# KiCad board nf_tpu.kicad_pcb
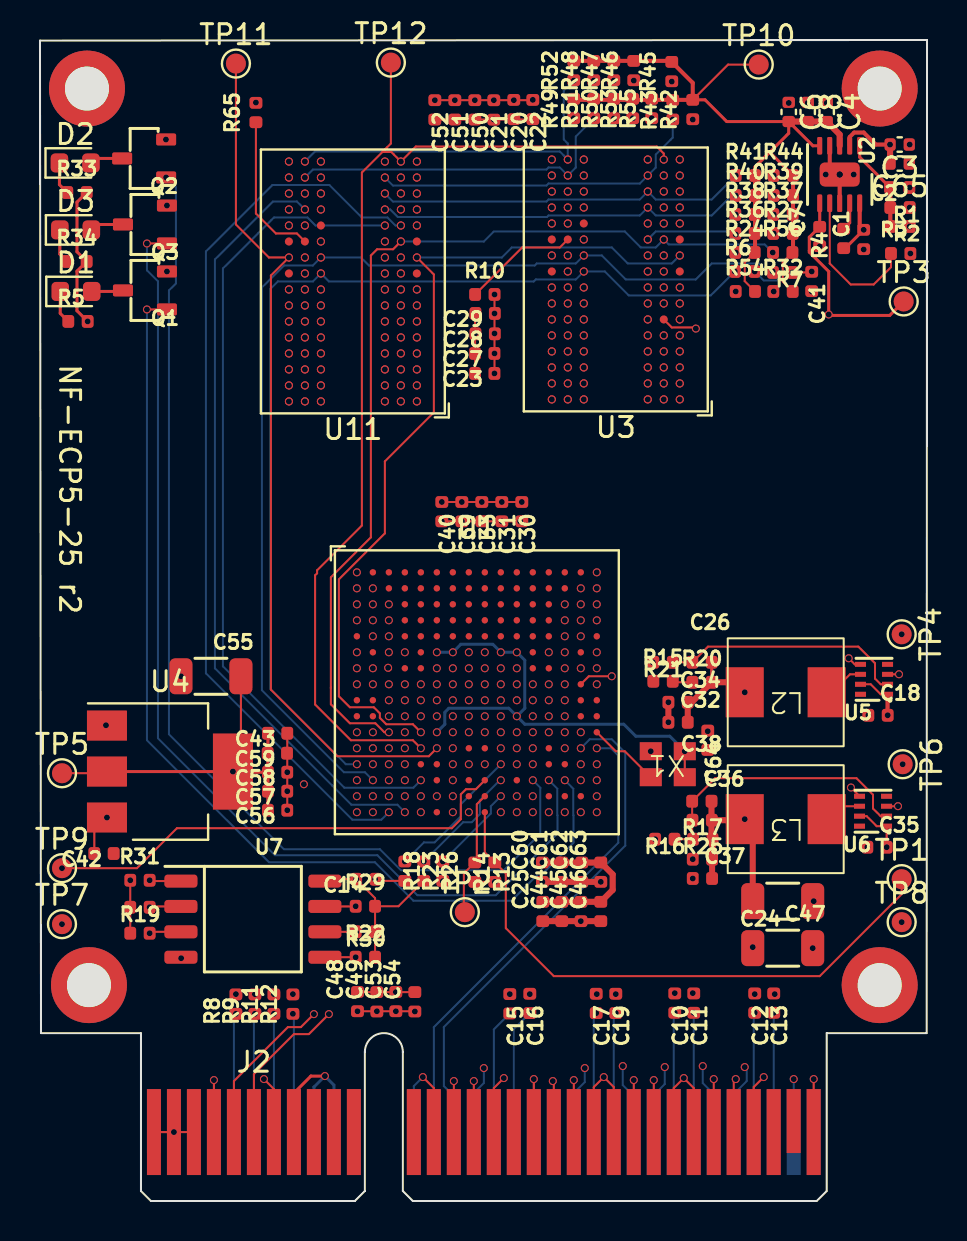
[diagram p0: board, top side]
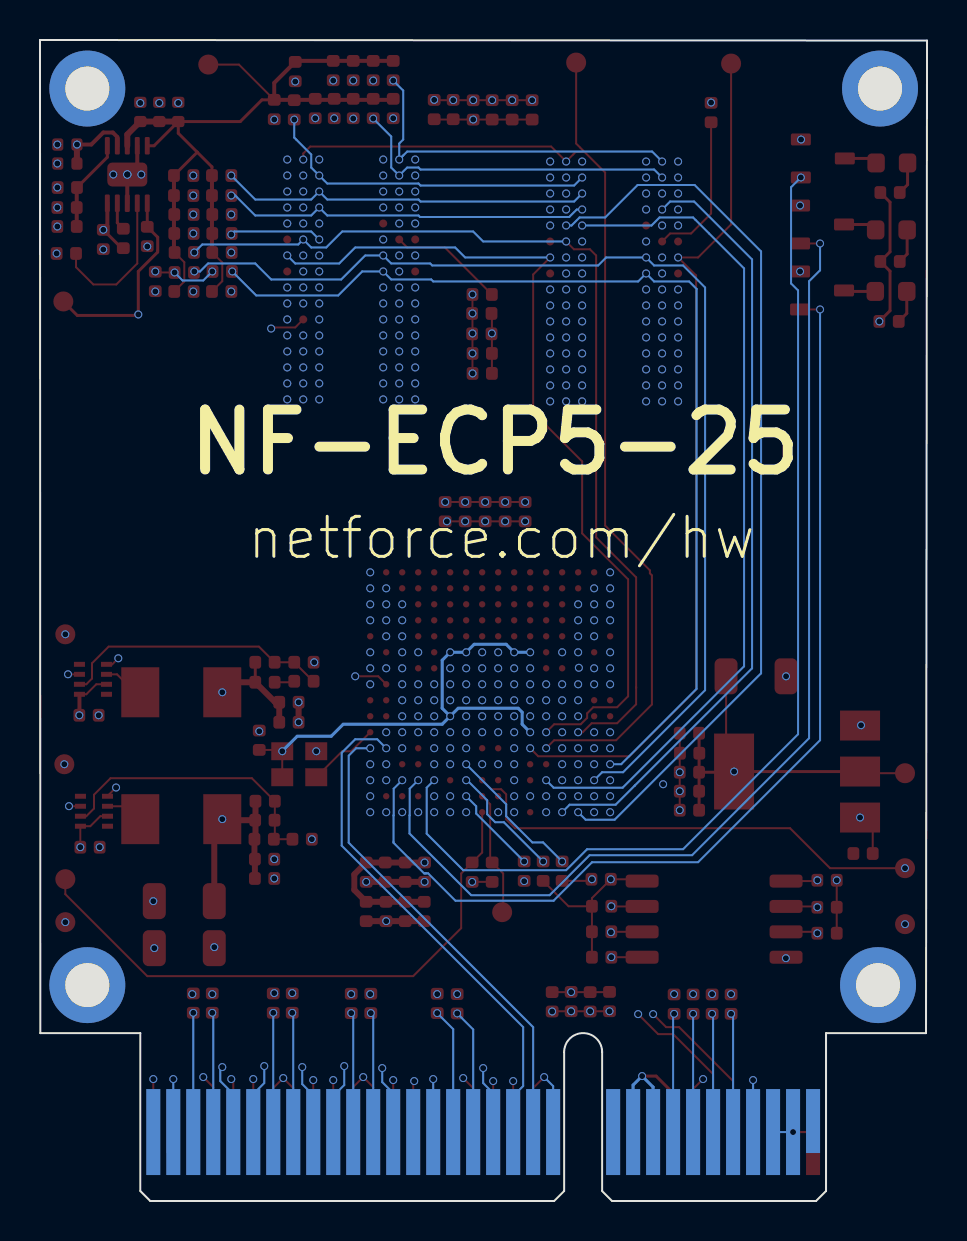
[diagram p1: board, bottom side, seen from below]

Outline 44.37 x 58.08 mm; copper layers: Top, GND (plane), In2.Cu, VCC, In4.Cu, Bottom. Coordinates in mm from the lower left corner of the outline.
Outline path: 5.05,8.4 0.05,8.4 0,58.05 44.37,58.08 44.35,8.4 39.35,8.4
Stack: Top 0.035mm / dielectric 0.1mm FR4 er 4.5 / GND 0.035mm / dielectric 0.535mm FR4 er 4.5 / In2.Cu 0.035mm / dielectric 0.1mm FR4 er 4.5 / VCC 0.035mm / dielectric 0.535mm FR4 er 4.5 / In4.Cu 0.035mm / dielectric 0.1mm FR4 er 4.5 / Bottom 0.035mm

## Placement (name value [footprint] x y rotation side)
C1  10u  [C_0402_1005Metric]  41.2 48.1 90 top
C2  1n  [C_0402_1005Metric]  43 50.7 180 top
C3  10u  [C_0402_1005Metric]  43 52.85 180 top
C4  10u  [C_0402_1005Metric]  39.35 54.48 270 top
C6  10u  [C_0402_1005Metric]  37.45 54.48 270 top
C7  100n  [C_0402_1005Metric]  39 48.25 90 top
C8  10u  [C_0402_1005Metric]  38.4 54.48 270 top
C10  100n  [C_0402_1005Metric]  31.75 9.9 270 top
C11  100n  [C_0402_1005Metric]  32.7 9.9 270 top
C12  100n  [C_0402_1005Metric]  35.75 9.9 270 top
C13  100n  [C_0402_1005Metric]  36.7 9.9 270 top
C14  1u  [C_0402_1005Metric]  16.3 16.1 180 top
C15  100n  [C_0402_1005Metric]  23.5 9.87 270 top
C16  100n  [C_0402_1005Metric]  24.5 9.88 270 top
C17  100n  [C_0402_1005Metric]  27.82 9.88 270 top
C18  10u  [C_0402_1005Metric]  41.92 24.3 0 top
C19  100n  [C_0402_1005Metric]  28.8 9.88 270 top
C20  4u7  [C_0402_1005Metric]  23.7 54.6 270 top
C21  1u  [C_0402_1005Metric]  22.7 54.58 270 top
C22  1u  [C_0402_1005Metric]  24.65 54.6 270 top
C23  1u  [C_0402_1005Metric]  22.25 41.4 180 top
C24  100u  [C_1206_3216Metric]  37.15 15 180 top
C25  4u7  [C_0402_1005Metric]  25.15 14.48 90 top
C26  100p  [C_0402_1005Metric]  33.11 26.95 0 top
C27  1u  [C_0402_1005Metric]  22.25 42.4 180 top
C28  1u  [C_0402_1005Metric]  22.27 43.38 180 top
C29  1u  [C_0402_1005Metric]  22.27 44.4 180 top
C30  1u  [C_0402_1005Metric]  24.1 34.48 270 top
C31  1u  [C_0402_1005Metric]  23.1 34.48 270 top
C32  10u  [C_0402_1005Metric]  31.92 23.95 0 top
C33  1u  [C_0402_1005Metric]  22.1 34.48 270 top
C34  10u  [C_0402_1005Metric]  31.92 24.95 0 top
C35  10u  [C_0402_1005Metric]  41.87 17.7 0 top
C36  100p  [C_0402_1005Metric]  33.1 20 0 top
C37  10u  [C_0402_1005Metric]  33.13 16.13 0 top
C38  10u  [C_0402_1005Metric]  33.13 17.1 0 top
C39  1u  [C_0402_1005Metric]  21.1 34.48 270 top
C40  1u  [C_0402_1005Metric]  20.1 34.48 270 top
C41  100n  [C_0402_1005Metric]  38.6 46 270 top
C42  10u  [C_0402_1005Metric]  3.2 17.38 180 top
C43  10u  [C_0402_1005Metric]  11.88 23.4 180 top
C44  4u7  [C_0402_1005Metric]  26.1 14.48 90 top
C45  4u7  [C_0402_1005Metric]  27.06 14.48 90 top
C46  4u7  [C_0402_1005Metric]  28.05 14.48 90 top
C47  4u7  [C_1206_3216Metric]  37.15 12.65 0 top
C48  4u7  [C_0402_1005Metric]  15.88 9.98 90 top
C49  4u7  [C_0402_1005Metric]  16.85 9.97 90 top
C50  1u  [C_0402_1005Metric]  21.75 54.58 270 top
C51  1u  [C_0402_1005Metric]  20.75 54.58 270 top
C52  1u  [C_0402_1005Metric]  19.75 54.58 270 top
C53  1u  [C_0402_1005Metric]  17.8 9.98 90 top
C54  1u  [C_0402_1005Metric]  18.75 9.97 90 top
C55  4u7  [C_1206_3216Metric]  8.55 26.25 0 top
C56  4u7  [C_0402_1005Metric]  11.88 19.55 180 top
C57  4u7  [C_0402_1005Metric]  11.88 20.5 180 top
C58  1u  [C_0402_1005Metric]  11.88 21.45 180 top
C59  1u  [C_0402_1005Metric]  11.87 22.4 180 top
C60  1u  [C_0402_1005Metric]  25.13 16.45 90 top
C61  1u  [C_0402_1005Metric]  26.1 16.45 90 top
C62  1u  [C_0402_1005Metric]  27.1 16.45 90 top
C63  1u  [C_0402_1005Metric]  28.05 16.45 90 top
C64  100n  [C_0402_1005Metric]  33.4 23.05 270 top
C65  10u  [C_0402_1005Metric]  43 51.9 180 top
D1  LED_B_0603_LG_L29K-G2J1-24-Z  [LED_0603_1608Metric]  1.8 45.5 0 top
D2  LED_R_0603_LG_L29K-G2J1-24-Z  [LED_0603_1608Metric]  1.76 51.93 0 top
D3  LED_G_0603_LG_L29K-G2J1-24-Z  [LED_0603_1608Metric]  1.78 48.58 0 top
J2  Bus_PCI_Express_x4  [BUS_PCIexpress_x4]  5.7 3.45 0 top
L2  IHLP1212AEERR47M11  [MHCI05030]  37.35 25.45 180 top
L3  IHLP1212AEERR47M11  [MHCI05030]  37.35 19.1 180 top
NOREF  -  [MountingHole_2.2mm_M2_DIN965_Pad]  2.35 55.65 0 top
NOREF#2  -  [MountingHole_2.2mm_M2_DIN965_Pad]  2.45 10.8 0 top
NOREF#3  -  [MountingHole_2.2mm_M2_DIN965_Pad]  42 55.65 0 top
NOREF#4  -  [MountingHole_2.2mm_M2_DIN965_Pad]  42 10.8 0 top
Q1  2N7002_SOT-23-3  [SOT-23-3]  5.25 45.55 180 top
Q2  2N7002_SOT-23-3  [SOT-23-3]  5.21 52.15 180 top
Q3  2N7002_SOT-23-3  [SOT-23-3]  5.25 48.85 180 top
R1  10k  [R_0402_1005Metric]  43.02 49.7 180 top
R2  10k  [R_0402_1005Metric]  43.02 48.75 180 top
R3  10k  [R_0402_1005Metric]  43.05 47.4 0 top
R4  10k  [R_0402_1005Metric]  40.2 48.15 90 top
R5  1k  [R_0402_1005Metric]  1.9 44 0 top
R6  49.9R  [R_0402_1005Metric]  35.25 46.5 0 top
R7  49.9R  [R_0402_1005Metric]  37.15 46.45 180 top
R8  22R  [R_0402_1005Metric]  9.8 9.85 90 top
R9  22R  [R_0402_1005Metric]  10.75 9.85 90 top
R10  240R  [R_0402_1005Metric]  22.25 45.35 0 top
R11  22R  [R_0402_1005Metric]  11.7 9.85 90 top
R12  22R  [R_0402_1005Metric]  12.65 9.85 90 top
R13  10k  [R_0402_1005Metric]  22.75 16.45 270 top
R14  10k  [R_0402_1005Metric]  21.75 16.45 270 top
R15  12k  [R_0402_1005Metric]  31.17 26 0 top
R16  10k  [R_0402_1005Metric]  31.25 18.1 180 top
R17  10k  [R_0402_1005Metric]  33.12 19.05 180 top
R18  10k  [R_0402_1005Metric]  18.25 16.5 270 top
R19  10k  [R_0402_1005Metric]  5 14.7 180 top
R20  510R  [R_0402_1005Metric]  33.11 25.95 0 top
R21  10k  [R_0402_1005Metric]  31.17 26.95 180 top
R22  10k  [R_0402_1005Metric]  16.28 12.2 0 top
R23  10k  [R_0402_1005Metric]  19.2 16.5 270 top
R24  49.9R  [R_0402_1005Metric]  35.27 47.45 0 top
R25  20k  [R_0402_1005Metric]  33.15 18.1 180 top
R26  10k  [R_0402_1005Metric]  20.15 16.5 270 top
R27  49.9R  [R_0402_1005Metric]  37.17 48.4 0 top
R28  10k  [R_0402_1005Metric]  5 13.4 180 top
R29  10k  [R_0402_1005Metric]  16.28 14.75 0 top
R30  10k  [R_0402_1005Metric]  16.28 13.47 180 top
R31  10k  [R_0402_1005Metric]  5 16.05 0 top
R32  49.9R  [R_0402_1005Metric]  37.17 45.5 0 top
R33  510R  [R_0402_1005Metric]  1.85 50.45 0 top
R34  1k  [R_0402_1005Metric]  1.85 47 0 top
R36  49.9R  [R_0402_1005Metric]  35.27 48.4 0 top
R37  49.9R  [R_0402_1005Metric]  37.17 49.35 0 top
R38  49.9R  [R_0402_1005Metric]  35.27 49.35 0 top
R39  49.9R  [R_0402_1005Metric]  37.18 50.3 0 top
R40  49.9R  [R_0402_1005Metric]  35.28 50.3 0 top
R41  49.9R  [R_0402_1005Metric]  35.28 51.3 0 top
R42  49.9R  [R_0402_1005Metric]  32.65 54.6 90 top
R43  49.9R  [R_0402_1005Metric]  31.65 54.59 90 top
R44  49.9R  [R_0402_1005Metric]  37.18 51.3 0 top
R45  49.9R  [R_0402_1005Metric]  31.6 56.5 90 top
R46  49.9R  [R_0402_1005Metric]  29.7 56.55 90 top
R47  49.9R  [R_0402_1005Metric]  28.7 56.55 90 top
R48  49.9R  [R_0402_1005Metric]  27.7 56.55 90 top
R49  49.9R  [R_0402_1005Metric]  26.7 54.65 90 top
R50  49.9R  [R_0402_1005Metric]  28.7 54.65 90 top
R51  49.9R  [R_0402_1005Metric]  27.7 54.65 90 top
R52  49.9R  [R_0402_1005Metric]  26.7 56.55 90 top
R53  49.9R  [R_0402_1005Metric]  29.65 54.65 90 top
R54  49.9R  [R_0402_1005Metric]  35.28 45.5 0 top
R55  49.9R  [R_0402_1005Metric]  30.6 54.65 90 top
R56  49.9R  [R_0402_1005Metric]  37.15 47.45 0 top
R65  240R  [R_0402_1005Metric]  10.8 54.45 90 top
TP1  TestPoint  [TestPoint_Pad_D1.0mm]  43.1 16.1 0 top
TP2  TestPoint  [TestPoint_Pad_D1.0mm]  21.25 14.45 0 top
TP3  TestPoint  [TestPoint_Pad_D1.0mm]  43.2 45 0 top
TP4  TestPoint  [TestPoint_Pad_D1.0mm]  43.1 28.35 270 top
TP5  TestPoint  [TestPoint_Pad_D1.0mm]  1.1 21.4 0 top
TP6  TestPoint  [TestPoint_Pad_D1.0mm]  43.15 21.85 270 top
TP7  TestPoint  [TestPoint_Pad_D1.0mm]  1.1 13.85 0 top
TP8  TestPoint  [TestPoint_Pad_D1.0mm]  43.1 13.95 0 top
TP9  TestPoint  [TestPoint_Pad_D1.0mm]  1.1 16.65 0 top
TP10  TestPoint  [TestPoint_Pad_D1.0mm]  35.95 56.85 0 top
TP11  TestPoint  [TestPoint_Pad_D1.0mm]  9.8 56.9 0 top
TP12  TestPoint  [TestPoint_Pad_D1.0mm]  17.55 56.95 0 top
U1  ECP5U_25_CABGA256  [BGA-256_14.0x14.0mm_Layout16x16_P0.8mm_Ball0.45mm_Pad0.32mm_NSMD]  21.85 25.45 0 top
U2  TPS51200DRC  [VSON-10-1EP_3x3mm]  39.99 51.35 270 top
U3  AS4C256M16D3  [BGA-96_9.0x13.0mm_Layout2x3x16_P0.8mm]  28.8 46.1 180 top
U4  LD1117S18TR_SOT223  [SOT-223-3_TabPin2]  6.5 21.48 0 top
U5  TPS62823DLCT  [QFN-8_2x1mm]  41.72 26.1 180 top
U6  TPS62823DLCT  [QFN-8_2x1mm]  41.67 19.5 180 top
U7  W25Q128JWSIQ  [SOIC-8-1EP_5.3x5.3x2mm_P1.27mm]  10.65 14.1 0 top
U11  AS4C256M16D3  [BGA-96_9.0x13.0mm_Layout2x3x16_P0.8mm]  15.65 46 180 top
X1  SG-8002LB  [nf_osci_100mhz]  31.35 21.9 180 top

## Library data of the parts
C1 C32 C34 = -: Author: Antmicro; LCSC: C15525; License: Apache-2.0; MPN: CC0402MRX5R5BB106; Manufacturer: Yaego; Field12: License: Apache-2.0; Field14: Author: Antmicro
C2 = -: Author: Antmicro; Dielectric: C0G; LCSC: C1523; License: Apache-2.0; MPN: GRM1555C1H102JA01D; Manufacturer: Murata; Voltage: 50V; Field12: Author: Antmicro; Field14: License: Apache-2.0
C3 C4 C6 C8 C65 = -: Author: Antmicro; LCSC: C15525; License: Apache-2.0; MPN: CC0402MRX5R5BB106; Manufacturer: Yaego
C7 C15 = -: Author: Antmicro; LCSC: C1525; License: Apache-2.0; MPN: 0402X104K6R3CT; Manufacturer: Walsin; Field13: Author: Antmicro; Field14: License: Apache-2.0
C10 = -: Author: Antmicro; LCSC: C1525; License: Apache-2.0; MPN: 0402X104K6R3CT; Manufacturer: Walsin; Field12: License: Apache-2.0; Field14: Author: Antmicro
C11-C13 C17 = -: Author: Antmicro; LCSC: C1525; License: Apache-2.0; MPN: 0402X104K6R3CT; Manufacturer: Walsin; Field13: License: Apache-2.0; Field14: Author: Antmicro
C14 C27 C28 C30 = -: Author: Antmicro; LCSC: C52923; License: Apache-2.0; MPN: C1005X5R1E474M050BB; Manufacturer: TDK; Field13: Author: Antmicro; Field14: License: Apache-2.0
C16 = -: Author: Antmicro; LCSC: C1525; License: Apache-2.0; MPN: 0402X104K6R3CT; Manufacturer: Walsin; Field12: Author: Antmicro; Field13: License: Apache-2.0
C18 C35 = -: Author: Antmicro; LCSC: C15525; License: Apache-2.0; MPN: GRM188R61A106KE69D; Manufacturer: Murata; Field12: Author: Antmicro; Field14: License: Apache-2.0
C19 C64 = -: Author: Antmicro; LCSC: C1525; License: Apache-2.0; MPN: 0402X104K6R3CT; Manufacturer: Walsin; Field12: License: Apache-2.0; Field13: Author: Antmicro
C20 = -: Author: Antmicro; LCSC: C23733; License: Apache-2.0; MPN: GRM155R61A475MEAAD; Manufacturer: Murata; Val: 4u; Field12: License: Apache-2.0; Field14: Author: Antmicro
C21 C22 C29 C40 C59-C61 = -: Author: Antmicro; LCSC: C52923; License: Apache-2.0; MPN: C1005X5R1E474M050BB; Manufacturer: TDK; Field12: Author: Antmicro; Field13: License: Apache-2.0
C23 C39 = -: Author: Antmicro; LCSC: C52923; License: Apache-2.0; MPN: C1005X5R1E474M050BB; Manufacturer: TDK; Field12: License: Apache-2.0; Field14: Author: Antmicro
C24 = -: Author: Antmicro; LCSC: C15008; License: Apache-2.0; MPN: CL32A107MQVNNNE; Manufacturer: Samsung; Field13: License: Apache-2.0; Field14: Author: Antmicro
C25 C56 = -: Author: Antmicro; LCSC: C23733; License: Apache-2.0; MPN: C1608X5R1V475M080AC; Manufacturer: TDK; Val: 4u; Field12: License: Apache-2.0; Field13: Author: Antmicro
C26 = -: Author: Antmicro; LCSC: C1546; License: Apache-2.0; MPN: C0402C121J5GACTU; Manufacturer: KEMET; Field12: Author: Antmicro; Field13: License: Apache-2.0
C31 C33 C53 C58 = -: Author: Antmicro; LCSC: C52923; License: Apache-2.0; MPN: C1005X5R1E474M050BB; Manufacturer: TDK; Field13: License: Apache-2.0; Field14: Author: Antmicro
C36 = -: Author: Antmicro; LCSC: C1546; License: Apache-2.0; MPN: C0402C121J5GACTU; Manufacturer: KEMET; Field13: Author: Antmicro; Field14: License: Apache-2.0
C37 C42 = -: Author: Antmicro; LCSC: C15525; License: Apache-2.0; MPN: CC0402MRX5R5BB106; Manufacturer: Yaego; Field12: Author: Antmicro; Field14: License: Apache-2.0
C38 = -: Author: Antmicro; LCSC: C15525; License: Apache-2.0; MPN: CC0402MRX5R5BB106; Manufacturer: Yaego; Field12: License: Apache-2.0; Field13: Author: Antmicro
C41 = -: Author: Antmicro; License: Apache-2.0; MPN: 0402X104K6R3CT; Manufacturer: Walsin; Field12: Author: Antmicro; Field13: License: Apache-2.0
C43 = -: Author: Antmicro; LCSC: C15525; License: Apache-2.0; MPN: CC0402MRX5R5BB106; Manufacturer: Yaego; Field13: Author: Antmicro; Field14: License: Apache-2.0
C44 C46 C57 = -: Author: Antmicro; LCSC: C23733; License: Apache-2.0; MPN: C1608X5R1V475M080AC; Manufacturer: TDK; Val: 4u; Field12: Author: Antmicro; Field13: License: Apache-2.0
C45 = -: Author: Antmicro; LCSC: C23733; License: Apache-2.0; MPN: C1608X5R1V475M080AC; Manufacturer: TDK; Val: 4u; Field12: License: Apache-2.0; Field14: Author: Antmicro
C47 = -: Author: Antmicro; LCSC: C96123; License: Apache-2.0; MPN: C1210C476K8RACTU; Manufacturer: KEMET; Val: 47u; Field13: License: Apache-2.0; Field14: Author: Antmicro
C48 = -: Author: Antmicro; LCSC: C23733; License: Apache-2.0; MPN: C1608X5R1V475M080AC; Manufacturer: TDK; Val: 4u; Field13: License: Apache-2.0; Field14: Author: Antmicro
C49 = -: Author: Antmicro; LCSC: C23733; License: Apache-2.0; MPN: C1608X5R1V475M080AC; Manufacturer: TDK; Val: 4u; Field12: Author: Antmicro; Field14: License: Apache-2.0
C50 C51 C54 = -: Author: Antmicro; LCSC: C52923; License: Apache-2.0; MPN: C1005X5R1E474M050BB; Manufacturer: TDK; Field12: License: Apache-2.0; Field13: Author: Antmicro
C52 C62 C63 = -: Author: Antmicro; LCSC: C52923; License: Apache-2.0; MPN: C1005X5R1E474M050BB; Manufacturer: TDK; Field12: Author: Antmicro; Field14: License: Apache-2.0
C55 = -: Author: Antmicro; LCSC: C96123; License: Apache-2.0; MPN: C1210C476K8RACTU; Manufacturer: KEMET; Val: 47u; Field12: Author: Antmicro; Field13: License: Apache-2.0
D1 = -: Author: Antmicro; LCSC: C5355421; License: Apache-2.0; MPN: LG L29K-G2J1-24-Z; Manufacturer: Osram
D2 = -: Author: Antmicro; LCSC: C5179624; License: Apache-2.0; MPN: LG L29K-G2J1-24-Z; Manufacturer: Osram
D3 = -: Author: Antmicro; LCSC: C965804; License: Apache-2.0; MPN: LG L29K-G2J1-24-Z; Manufacturer: Osram
J2 = -: Description: PCI Express bus connector x4
L2 L3 = -: Author: Antmicro; LCSC: C329374; LCSC2: C844966; License: Apache-2.0; Manufacturer: Vishay; Size: 3.0x3.0; Val: 470n/6.7A
Q1 = -: Author: Antmicro; LCSC: C8545; License: Apache-2.0; MPN: 2N7002; Manufacturer: ON Semiconductor; Field10: License: Apache-2.0; Field11: Author: Antmicro
Q2 = -: Author: Antmicro; LCSC: C8545; License: Apache-2.0; MPN: 2N7002; Manufacturer: ON Semiconductor; Field9: Author: Antmicro; Field10: License: Apache-2.0
Q3 = -: Author: Antmicro; LCSC: C8545; License: Apache-2.0; MPN: 2N7002; Manufacturer: ON Semiconductor; Field9: License: Apache-2.0; Field11: Author: Antmicro
R1 R26 = -: Description: 10k resistor in 0402 package with 1% tolerance; Author: Antmicro; LCSC: C25744; License: Apache-2.0; MPN: CR0402-FX-1002GLF; Manufacturer: Bourns; Tolerance: 1%; Field11: Author: Antmicro; Field13: License: Apache-2.0
R2 R4 R14 R22 = -: Description: 10k resistor in 0402 package with 1% tolerance; Author: Antmicro; LCSC: C25744; License: Apache-2.0; MPN: CR0402-FX-1002GLF; Manufacturer: Bourns; Tolerance: 1%; Field11: License: Apache-2.0; Field12: Author: Antmicro
R3 R13 R18 R23 = -: Description: 10k resistor in 0402 package with 1% tolerance; Author: Antmicro; LCSC: C25744; License: Apache-2.0; MPN: CR0402-FX-1002GLF; Manufacturer: Bourns; Tolerance: 1%; Field11: License: Apache-2.0; Field13: Author: Antmicro
R5 = -: Description: 1k resistor in 0402 package with 1% tolerance; Author: Antmicro; LCSC: C11702; License: Apache-2.0; MPN: CR0402-FX-1001GLF; Manufacturer: Bourns; Tolerance: 1%; Field12: Author: Antmicro; Field13: License: Apache-2.0
R6 R7 R27 R38 R45 R49 = -: Description: 51R resistor in 0402 package with 1% tolerance; Author: Antmicro; DNP: DNP; LCSC: C25120; License: Apache-2.0; MPN: CR0402-FX-51R0GLF; Manufacturer: Bourns; Tolerance: 1%; Field12: Author: Antmicro; Field14: License: Apache-2.0
R8 = -: Description: 22R resistor in 0402 package with 1% tolerance; Author: Antmicro; LCSC: C25092; License: Apache-2.0; MPN: CR0402-FX-22R0GLF; Manufacturer: Bourns; Tolerance: 1%; Field12: Author: Antmicro; Field13: License: Apache-2.0
R9 = -: Description: 22R resistor in 0402 package with 1% tolerance; Author: Antmicro; LCSC: C25092; License: Apache-2.0; MPN: CR0402-FX-22R0GLF; Manufacturer: Bourns; Tolerance: 1%; Field11: Author: Antmicro; Field13: License: Apache-2.0
R10 = -: Description: 10k resistor in 0402 package with 1% tolerance; Author: Antmicro; LCSC: C25094; License: Apache-2.0; MPN: CR0402-FX-1002GLF; Manufacturer: Bourns; Tolerance: 1%; Field12: Author: Antmicro; Field13: License: Apache-2.0
R11 R12 = -: Description: 22R resistor in 0402 package with 1% tolerance; Author: Antmicro; LCSC: C25092; License: Apache-2.0; MPN: CR0402-FX-22R0GLF; Manufacturer: Bourns; Tolerance: 1%; Field11: License: Apache-2.0; Field13: Author: Antmicro
R15 = -: Description: 200k resistor in 0402 package with 1% tolerance; Author: Antmicro; LCSC: C25752; License: Apache-2.0; MPN: CR0402-FX-2003GLF; Manufacturer: Bourns; Tolerance: 1%; Field12: License: Apache-2.0; Field13: Author: Antmicro
R16 R21 = -: Description: 100k resistor in 0402 package with 1% tolerance; Author: Antmicro; LCSC: C25744; License: Apache-2.0; MPN: CR0402-FX-1003GLF; Manufacturer: Bourns; Tolerance: 1%; Field11: Author: Antmicro; Field13: License: Apache-2.0
R17 = -: Description: 100k resistor in 0402 package with 1% tolerance; Author: Antmicro; LCSC: C25744; License: Apache-2.0; MPN: CR0402-FX-1003GLF; Manufacturer: Bourns; Tolerance: 1%; Field11: License: Apache-2.0; Field12: Author: Antmicro
R19 R29 = -: Description: 10k resistor in 0402 package with 1% tolerance; Author: Antmicro; LCSC: C25744; License: Apache-2.0; MPN: CR0402-FX-1002GLF; Manufacturer: Bourns; Tolerance: 1%; Field12: License: Apache-2.0; Field13: Author: Antmicro
R20 = -: Description: 200k resistor in 0402 package with 1% tolerance; Author: Antmicro; LCSC: C25123; License: Apache-2.0; MPN: CR0402-FX-2003GLF; Manufacturer: Bourns; Tolerance: 1%; Field12: Author: Antmicro; Field13: License: Apache-2.0
R24 R47 R48 R55 R56 = -: Description: 51R resistor in 0402 package with 1% tolerance; Author: Antmicro; DNP: DNP; LCSC: C25120; License: Apache-2.0; MPN: CR0402-FX-51R0GLF; Manufacturer: Bourns; Tolerance: 1%; Field12: License: Apache-2.0; Field13: Author: Antmicro
R25 = -: Description: 66k5 resistor in 0402 package with 1% tolerance; Author: Antmicro; LCSC: C25765; License: Apache-2.0; MPN: CR0402-FX-6652GLF; Manufacturer: Bourns; Tolerance: 1%; Field12: License: Apache-2.0; Field13: Author: Antmicro
R28 = -: Description: 10k resistor in 0402 package with 1% tolerance; Author: Antmicro; LCSC: C25744; License: Apache-2.0; MPN: CR0402-FX-1002GLF; Manufacturer: Bourns; Tolerance: 1%; Field12: Author: Antmicro; Field13: License: Apache-2.0
R30 = -: Description: 1k resistor in 0402 package with 1% tolerance; Author: Antmicro; LCSC: C25744; License: Apache-2.0; MPN: CR0402-FX-1001GLF; Manufacturer: Bourns; Tolerance: 1%; Field11: License: Apache-2.0; Field13: Author: Antmicro
R31 = -: Description: 4k7 resistor in 0402 package with 1% tolerance; Author: Antmicro; LCSC: C25744; License: Apache-2.0; MPN: CR0402-FX-4701GLF; Manufacturer: Bourns; Tolerance: 1%; Field12: Author: Antmicro; Field13: License: Apache-2.0
R32 R39 R50 R51 = -: Description: 51R resistor in 0402 package with 1% tolerance; Author: Antmicro; DNP: DNP; LCSC: C25120; License: Apache-2.0; MPN: CR0402-FX-51R0GLF; Manufacturer: Bourns; Tolerance: 1%; Field12: Author: Antmicro; Field13: License: Apache-2.0
R33 = -: Description: 1k resistor in 0402 package with 1% tolerance; Author: Antmicro; LCSC: C25123; License: Apache-2.0; MPN: CR0402-FX-1001GLF; Manufacturer: Bourns; Tolerance: 1%; Field11: License: Apache-2.0; Field12: Author: Antmicro
R34 = -: Description: 1k resistor in 0402 package with 1% tolerance; Author: Antmicro; LCSC: C11702; License: Apache-2.0; MPN: CR0402-FX-1001GLF; Manufacturer: Bourns; Tolerance: 1%; Field12: License: Apache-2.0; Field13: Author: Antmicro
R36 R37 R40-R42 R46 R54 = -: Description: 51R resistor in 0402 package with 1% tolerance; Author: Antmicro; DNP: DNP; LCSC: C25120; License: Apache-2.0; MPN: CR0402-FX-51R0GLF; Manufacturer: Bourns; Tolerance: 1%; Field13: Author: Antmicro; Field14: License: Apache-2.0
R43 R44 = -: Description: 51R resistor in 0402 package with 1% tolerance; Author: Antmicro; DNP: DNP; LCSC: C25120; License: Apache-2.0; MPN: CR0402-FX-51R0GLF; Manufacturer: Bourns; Tolerance: 1%; Field13: License: Apache-2.0; Field14: Author: Antmicro
R52 R53 = -: Description: 51R resistor in 0402 package with 1% tolerance; Author: Antmicro; DNP: DNP; LCSC: C25120; License: Apache-2.0; MPN: CR0402-FX-51R0GLF; Manufacturer: Bourns; Tolerance: 1%; Field12: License: Apache-2.0; Field14: Author: Antmicro
R65 = -: Description: 10k resistor in 0402 package with 1% tolerance; Author: Antmicro; LCSC: C25094; License: Apache-2.0; MPN: CR0402-FX-1002GLF; Manufacturer: Bourns; Tolerance: 1%; Field11: License: Apache-2.0; Field12: Author: Antmicro
TP1-TP12 = -: Description: test point
U1 = -: LCSC: C1521614; manf#: ECP5U_25
U2 = -: Author: Antmicro; LCSC: C34771; License: Apache-2.0; Manufacturer: Texas Instruments; Field9: .; Field10: Author: Antmicro; Field12: License: Apache-2.0
U3 U11 = -: Description: 4Gb (256Mx16 bit) Double Data Rate 3 Synchronous DRAM; LCSC: C2841153
U4 = -: Description: 800mA Fixed Low Drop Positive Voltage Regulator, Fixed Output 1.8V, SOT-223; LCSC: C5240656
U5 = -: Author: Antmicro; LCSC: C2693497; License: Apache-2.0; Manufacturer: Texas Instruments; Field10: License: Apache-2.0; Field11: Author: Antmicro
U6 = -: Author: Antmicro; LCSC: C2693497; License: Apache-2.0; Manufacturer: Texas Instruments; Field10: Author: Antmicro; Field11: License: Apache-2.0
U7 = -: Description: NOR Flash spiFlash, 32M-bit, 4Kb Uniform Sector; Author: Antmicro; LCSC: C113767; License: Apache-2.0; Manufacturer: Winbond; Field10: License: Apache-2.0; Field11: Author: Antmicro
X1 = -: Description: CMOS Clock Oscillator 1 to 125 MHz; LCSC: C728996
